# Altium PCB Mother_board_SSL2018.PcbDoc (part 1 of 2) (continued)
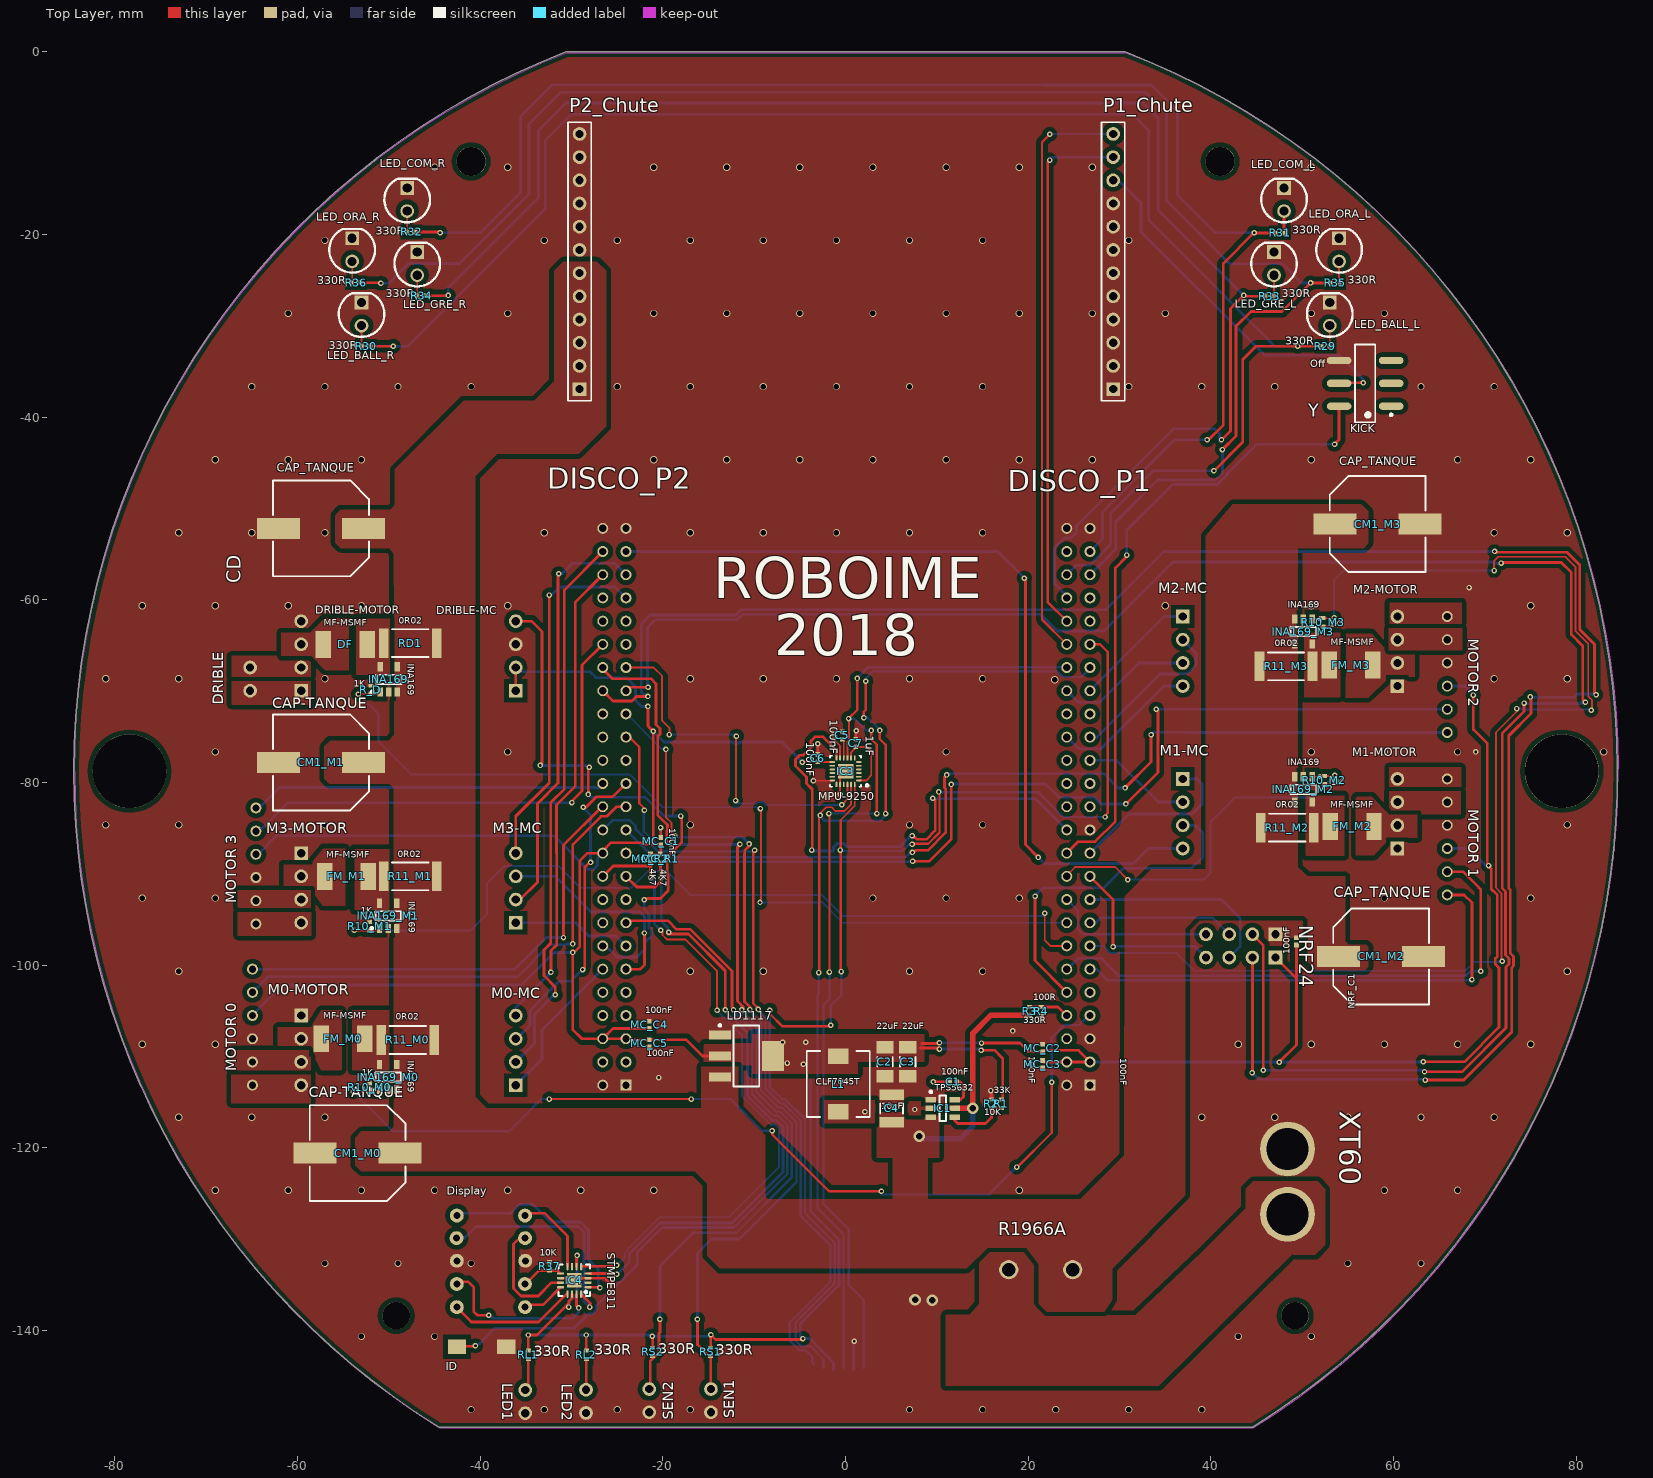
[diagram p0: Top Layer view]
## Components (designator, comment, footprint, x,y, rotation, side; value= is the part's Value field where it differs from the comment) (continued)
R_D "1K" 0402-RES-HD -51.988,-69.824 r270 top
RD1 "0R02" 2512-RES-HD -47.67,-64.744 r0 top value=0.02
RL1 "330R" 0402-RES-HD -34.737,-142.645 r270 top value=330
RL2 "330R" 0402-RES-HD -28.387,-142.645 r270 top value=330
RS1 "330R" 0402-RES-HD -14.775,-142.341 r90 top value=330
RS2 "330R" 0402-RES-HD -21.125,-142.341 r90 top value=330
SD1 "2908-05WB-MG" "New footprint 1"#2 -2.886,-140.64 r0 bottom
SEN1 "0022112022" 02x01_Conector_Male -14.75,-147.675 r90 bottom (schematic designator SENSOR1)
SEN2 "0022112022" 02x01_Conector_Male -21.5,-147.675 r90 bottom (schematic designator SENSOR2)
SW "R1966A" R1966AB-PCB 17.975,-143.875 r90 bottom

## Footprints (in the part's own frame and the unit in brackets; to place one, negate y for a bottom-side part, rotate by r counter-clockwise, add the part's x,y. Pads: shape width x height; smd on the part's side, far side on the other; paste and mask are expansions set on the pad)
02x01_Conector_Male [mm] "0022112022"
  round 1.5 hole 0.9: 1(-1.27,0) 2(1.27,0)
  body extent -2.46,-3.25 2.46,3.1, height 3.14
04x01_Conector_Female [mm] "PPPC041LFBN-RC"
  round 1.5 hole 0.9: 0(-3.81,0) 1(-1.27,0) 2(1.27,0)
  rect 1.5x1.5 hole 0.9: 3(3.81,0)
  body extent -5.33,-1.27 5.33,1.27, height 8.5
"04x01_Conector_Female - duplicate" [mm] "PPPC041LFBN-RC"
  round 1.5 hole 0.9: 0(-3.81,0) 1(-1.27,0) 2(1.27,0)
  rect 1.5x1.5 hole 0.9: 3(3.81,0)
  body extent -5.33,-1.27 5.33,1.27, height 8.5
04x02_Conector_Female [mm] "PPPC042LFBN-RC"
  round 1.5 hole 0.9: 0(-3.81,1.27) 1(-1.27,1.27) 2(1.27,1.27) 4(-3.81,-1.27) 5(-1.27,-1.27) 6(1.27,-1.27)
  rect 1.5x1.5 hole 0.9: 3(3.81,1.27) 7(3.81,-1.27)
  body extent -5.3,-2.55 5.36,2.53, height 8.52
06x01_Conector_Male [mil] "0022112062"
  round 47.25 hole 31.5: 1(250,5) 2(150,5) 3(50,5) 4(-50,5) 5(-150,5) 6(-250,5)
  body extent -297,-115 297,135, height 124
25x02_Conector_Female [mil] "SFH11-PBPC-D25-ST-BK"
  rect 47.25x47.25 hole 31.5: 1(-1200,-50)
  round 47.25 hole 31.5: 2(-1200,50) 3(-1100,-50) 4(-1100,50) 5(-1000,-50) 6(-1000,50) 7(-900,-50) 8(-900,50) 9(-800,-50) 10(-800,50) 11(-700,-50) 12(-700,50) 13(-600,-50) 14(-600,50) 15(-500,-50) 16(-500,50) 17(-400,-50) 18(-400,50) 19(-300,-50) 20(-300,50) 21(-200,-50) 22(-200,50) 23(-100,-50) 24(-100,50) 25(0,-50) 26(0,50) 27(100,-50) 28(100,50) 29(200,-50) 30(200,50) 31(300,-50) 32(300,50) 33(400,-50) 34(400,50) 35(500,-50) 36(500,50) 37(600,-50) 38(600,50) 39(700,-50) 40(700,50) 41(800,-50) 42(800,50) 43(900,-50) 44(900,50) 45(1000,-50) 46(1000,50) 47(1100,-50) 48(1100,50) 49(1200,-50) 50(1200,50)
  body extent -1350,-121 1350,115, height 333
0402 [mm] "Chip Capacitor, Body 1.0x0.5mm, IPC High Density"
  rect 0.6x0.5 smd: 1(-0.5,0) 2(0.5,0)
  body extent -0.55,-0.3 0.55,0.3, height 1.3
0402-CAP [mm] "Chip Capacitor, Body 1.0x0.5mm, Height 0.6mm, IPC Medium Density"
  rect 0.52x0.52 smd: 1(-0.4,0) 2(0.4,0)
  body extent -0.55,-0.3 0.55,0.3, height 0.33
0402-RES-HD [mm] "Chip Resistor, Body 1.0x0.5mm, IPC High Density"
  rect 0.45x0.55 smd: 1(-0.45,0) 2(0.45,0)
  body extent -0.52,-0.27 0.53,0.28, height 0.4
1206-CAP [mm] "Chip Capacitor, Body 3.2x1.6mm, Height 1.7mm, IPC Low Density"
  rect 1.35x1.9 smd: 1(-1.6,0) 2(1.6,0)
  silkscreen extent -0.55,-0.85 0.55,0.85, body extent -1.7,-0.9 1.7,0.9, height 1.7
1210-CAP [mm]
  rect 1.15x2.7 smd: 1(-1.5,0) 2(1.5,0)
  silkscreen extent -0.55,-1.25 0.55,1.25, body extent -1.7,-1.4 1.7,1.4, height 2.8
2512-RES-HD [mm] "Chip Resistor, Body 6.4x3.2mm, IPC High Density"
  rect 1.05x3.25 smd: 1(-2.9,0) 2(2.9,0)
  silkscreen extent -2,-1.52 2,1.53, body extent -3.25,-1.7 3.25,1.7, height 0.75
BATTERY_CONECTO-PCB [mm]
  round 6 hole 4.62: 0(-3.58,0) 1(3.58,0)
  body extent -7.82,-4.19 8.08,3.96, height 16.4
CLF7045T [mm]
  rect 2.2x1.7 smd: 1(0,3.05) 2(0,-3.05)
  silkscreen extent -3.45,-3.6 3.45,3.6, body extent -3.5,-3.6 3.5,3.6, height 4.51
EEE-FK1C681GP [mm] "Aluminum Electrolytic Capacitor, Body 10,30x10,30x10,50mm, IPC Low Density"
  rect 4.7x2.3 smd: 1(-4.65,0) 2(4.65,0)
  silkscreen extent -5.25,-5.25 5.25,5.25, body extent -5.65,-5.21 5.65,5.09, height 10.41
HDR1X12 [mm] "Connector; Header; 12 Position"
  rect 1.5x1.5 hole 0.9: 1(0,0)
  round 1.5 hole 0.9: 2(2.54,0) 3(5.08,0) 4(7.62,0) 5(10.16,0) 6(12.7,0) 7(15.24,0) 8(17.78,0) 9(20.32,0) 10(22.86,0) 11(25.4,0) 12(27.94,0)
  silkscreen extent -1.27,-1.27 29.21,1.27
LED-5MM-PCB [mm]
  rect 1.5x1.5 hole 1: 1(1.27,0)
  round 1.5 hole 1: 2(-1.27,0)
  silkscreen extent -2.5,-2.5 2.28,2.5, body extent -2.98,-3.01 2.44,3.01, height 8.59
MPU-9250 [mm] "IMU ACCEL/GYRO/MAG I2C/SPI 24QFN"
  oval 0.6x0.2 smd: 1(-1.45,1) 2(-1.45,0.6) 3(-1.45,0.2) 4(-1.45,-0.2) 5(-1.45,-0.6) 6(-1.45,-1) 13(1.45,-1) 14(1.45,-0.6) 15(1.45,-0.2) 16(1.45,0.2) 17(1.45,0.6) 18(1.45,1)
  oval 0.2x0.6 smd: 7(-1,-1.45) 8(-0.6,-1.45) 9(-0.2,-1.45) 10(0.2,-1.45) 11(0.6,-1.45) 12(1,-1.45) 19(1,1.45) 20(0.6,1.45) 21(0.2,1.45) 22(-0.2,1.45) 23(-0.6,1.45) 24(-1,1.45)
  rect 1.7x1.54 smd: 18(0,0)
  silkscreen extent -2.48,-1.7 1.7,1.7, body extent -1.55,-1.55 1.55,1.55, height 1.05
"New footprint 1"#1 [mil]
  round 60 hole 30: 1(-110,190) 2(-111.22,92.52) 3(-110,-5) 4(-110,-105) 5(-110,-205) 6(184.06,190) 7(184.29,92.52) 8(185.28,-5) 9(183.31,-105) 10(184.29,-205)
  body extent -149,-255 150,245, height 283
"New footprint 1"#2 [mil]
  rect 31.5x59.06 smd: 1(-68.5,135.04) 2(-25.2,119.29) 3(18.11,135.04) 4(61.42,142.91) 5(104.72,135.04) 6(148.03,142.91) 7(191.34,135.04) 8(234.65,135.04)
  rect 55.12x74.8 smd: M1(269.29,246.85) M2(-269.29,291.73)
  rect 70.87x55.12 smd: M3(201.97,-291.73) M4(-22.44,-291.73)
  silkscreen extent -271,-292 280,308, body extent -269,-292 282,309, height 75
PCBComponent [mm]
  rect 2x1.6 smd: 1(-2.7,0) 2(2.7,0)
  body extent -3.65,-1.75 3.65,1.75, height 5
QFN16_N [mm] "QFN, 16-Leads, Body 3x3mm, Pitch 0.5mm, Thermal Pad 1.6x1.6mm, IPC Medium Density"
  oval 0.8x0.25 smd: 1(-1.5,0.75) 2(-1.5,0.25) 3(-1.5,-0.25) 4(-1.5,-0.75) 9(1.5,-0.75) 10(1.5,-0.25) 11(1.5,0.25) 12(1.5,0.75)
  oval 0.25x0.8 smd: 5(-0.75,-1.5) 6(-0.25,-1.5) 7(0.25,-1.5) 8(0.75,-1.5) 13(0.75,1.5) 14(0.25,1.5) 15(-0.25,1.5) 16(-0.75,1.5)
  rect 1.6x1.6 smd: TH(0,0)
  silkscreen extent -1.73,-1.73 1.73,1.73, body extent -1.58,-1.58 1.58,1.58, height 1
R1966AB-PCB [mm] "SWITCH ROCKER SPST 15A 125V"
  round 2.1 hole 1.5: 0(10.541,-0.117)
  round 2.1 hole 1.5 paste+0: 1(10.541,6.883)
  body extent -11.38,-10.67 11.12,10.28, height 15.6
RESC4632X16N [mm] "Chip Resistor, 2-Leads, Body 4,60x3,24mm, IPC Medium Density"
  rect 1.68x2.95 smd: 1(-2.39,0) 2(2.39,0)
  body extent -2.3,-1.62 2.3,1.62, height 1.15
SOP250P750X350-6N [mm] "SOP, 6-Leads, Body 8,50x3,00mm, Pitch 2,50mm, IPC Medium Density"
  oval 2.7x0.8 smd: 1(-2.85,2.5) 2(-2.85,0) 3(-2.85,-2.5) 4(2.85,-2.5) 5(2.85,0) 6(2.85,2.5)
  silkscreen extent -2.98,-4.25 1.1,4.25, body extent -3.62,-4.5 3.88,4.5, height 5.57
SOT95P280X110-6N [mm] "SOT23, 6-Leads, Body 2,90x2,80mm, Pitch 0,95mm, IPC Medium Density"
  rect 1.15x0.6 smd: 1(-1.3,0.95) 2(-1.3,0) 3(-1.3,-0.95) 4(1.3,-0.95) 5(1.3,0) 6(1.3,0.95)
  silkscreen extent -1.42,-1.4 0.35,1.92, body extent -0.72,-1.37 0.72,1.38, height 1.1
SOT95P280X125-5N [mm] "SOT23, 5-Leads, Body 2,90x2,80mm, Pitch 0,95mm, IPC Medium Density"
  rect 1x0.6 smd: 1(-1.375,0.95) 2(-1.375,0) 3(-1.375,-0.95) 4(1.375,-0.95) 5(1.375,0.95)
  silkscreen extent -1.5,-1.4 0.5,1.92, body extent -0.88,-1.37 0.87,1.38, height 1.25
SOT-223_N [mm] "SOT223, 4-Leads, Body 6.5x3.5mm, Pitch 2.3mm, Lead Span 7mm, IPC Medium Density"
  rect 2.4x1 smd: 1(-2.9,2.3) 2(-2.9,0) 3(-2.9,-2.3)
  rect 2.4x3.3 smd: 4(2.9,0)
  silkscreen extent -3.02,-3.35 1.4,3.47, body extent -1.85,-3.35 1.85,3.35, height 1.8

## Part data
06x01_Conector_Male_M0 06x01_Conector_Male_M1 06x01_Conector_Male_M2 06x01_Conector_Male_M3: library part 06x01_Conector_Male, "CONN HEADER 6POS .100 VERT GOLD"
BAT: library part BATTERY_CONNECTOR, "XT60 PRT-10474"
C1: library part CC0402-100nF-50v-A.3, "CAP CER 0.1UF 50V 10% X7R 0402", Part No=C1005X7R1H104K050BB, Cod EMS=05.281.019.021
C2 C3: library part CC1206-22uF-6.3V-1, "CAP CER 22UF 6.3V 20% X5R 1206", Part No=C3216X5R0J226M085AC, Rule="Polygon Connect Style [Style - Direct Connect]"
C4: library part CC1210-10uF-6, "CAP CER 10UF 50V 20% X5R 1210", Part No=UMK325BJ106MM, Cod EMS=05.281.019.522
C5 C6 MC_C1 MC_C2 MC_C3 MC_C4 MC_C5 NRF_C1: library part CC0402-100nF-A.12, "CAP CER 0.1UF 10V 20% X5R 0402", Part No=VJ0402V104ZXQPBC, Cod EMS=05.281.006.133
C7: library part CC0402-1uF-5, "CAP CER 1UF 6.3V 10% X5R 0402", Part No=JMK105BJ105KV-F, Cod EMS=05.281.019.513
CD CM1_M0 CM1_M1 CM1_M2 CM1_M3: library part "CAP AL 680UF/16V", "Aluminum Electrolytic Capacitors - SMD Al Lytic Cap SMT FK Series 105C"
CON_DRIBLE LED1 LED2 SEN1 SEN2: library part 02x01_Conector_Male, "CONN HEADER 2POS .100 VERT GOLD"
DF FM_M0 FM_M1 FM_M2 FM_M3: library part MF-MSMF250/16X-01.A.1, "PTC RESETTABLE .30A 30V 1812"
DISCO_P1 DISCO_P2: library part 25x02_Conector_Female, "50 Position Header Connector 0.100\" (2.54mm) Through Hole Gold"
Display: library part HDSP-F513-01.A.2, "7 segments display"
DRIBLE-MC DRIBLE-MOTOR M0-MC M0-MOTOR M1-MC M1-MOTOR M2-MC M2-MOTOR M3-MC M3-MOTOR: library part 04x01_Conector_Female-SCH, "4 Position Header Connector 0.100\" (2.54mm) Through Hole Gold"
IC1: library part TPS563200DDCT-01.A.2, "IC REG BUCK ADJ 3A SYNC 6SOT"
IC3: library part MPU-9250-1, "IMU ACCEL/GYRO/MAG I2C/SPI 24QFN", Part No=MPU-9250
IC4: library part STMPE811QTR-6, "IC TSC I/O EXPAND 8B 16QFN", Part No=STMPE811QTR, Cod EMS=05.284.001.511
ID: library part 95C04A3GWRT.-1, "GRAYHILL TACT,GW,6X3.5,1800T&R,LF Eight, 160g Operating Force, Gull Wing, RoHS Compliant", Part No=95C04A3GWRT
INA169 INA169_M0 INA169_M1 INA169_M2 INA169_M3: library part INA169NA-01.A.1, "IC CURRENT MONITOR 0.5% SOT23-5"
KICK: library part JS202011SCQN-1, "SWITCH SLIDE DPDT 300MA 6V", Part No=JS202011SCQN
L1: library part CLF7045T-4R7N-H-2, "FIXED IND 4.7UH 4.1A 20 MOHM SMD", Part No=CLF7045T-4R7N-H, Family=CLF7045T, Family Description="INDUTORES FIXOS 7,2x6,9mm TDK CLF7045T -45 A 125oC", Rule="Polygon Connect Style [Style - Direct Connect]"
LD1117: library part CMP-0244-00307-1, "Fixed Low Drop Positive Voltage Regulator, 3.3V, 4-Pin SOT-223, Tape and Reel", ComponentLink1Description="Manufacturer URL", ComponentLink1URL=http://www.st.com, ComponentLink2Description=Datasheet, ComponentLink2URL=http://www.st.com/internet/com/TECHNICAL_RESOURCES/TECHNICAL_LITERATURE/DATASHEET/CD00000544.pdf, DatasheetVersion=1/11/2011, PackageDescription="4-Pin SOT-223 Package, 6.5 x 3.5 mm Body, 2.3 mm Pitch, 7 mm Lead Span", PackageReference=SOT-223, PackageVersion=2010
LED_BALL_L LED_BALL_R LED_COM_L LED_COM_R LED_GRE_L LED_GRE_R LED_ORA_L LED_ORA_R: library part LED-5MM-3, "LED 5MM PTH"
MC_R1 MC_R2: library part Res1, "Resistor", LatestRevisionDate=17-Jul-2002, LatestRevisionNote="Re-released for DXP Platform.", PackageDescription="Axial Device, Thru-Hole; 2 Leads; 0.3 in Pin Spacing", PackageReference=AXIAL-0.3, Published=8-Jun-2000, Publisher="Altium Limited"
NRF24: library part 04x02_Conector_Female, "8 Position Header Connector 0.100\" (2.54mm) Through Hole Gold"
P1_Chute P2_Chute: "Header, 12-Pin", LatestRevisionDate=17-Jul-2002, LatestRevisionNote="Re-released for DXP Platform.", Publisher="Altium Limited"
R1: library part R0402-33K-7, "RES 33K OHM 1/10W 1% 0402 SMD", Part No=ERJ-2RKF3302X, Cod EMS=05.280.029.535, Family=ERJ-2RKF....X, Family Description="RESISTOR FILME ESPESSO 10R-1M / 1/10W / 1% / 0402. P/N: ERJ-2RKF....X – PANASONIC ELECTRONIC COMPONENTS."
R2: library part R0402-10K-10, "RES 10K OHM 1/10W 1% 0402 SMD", Part No=ERJ-2RKF1002X, Cod EMS=05.280.029.525, Family=ERJ-2RKF....X, Family Description="RESISTOR FILME ESPESSO 10R-1M / 1/10W / 1% / 0402. P/N: ERJ-2RKF....X – PANASONIC ELECTRONIC COMPONENTS."
R3: library part R0402-10K-10, "RES 330R OHM 1/10W 1% 0402 SMD", Part No=ERJ-2RKF1002X, Cod EMS=05.280.029.525, Family=ERJ-2RKF....X, Family Description="RESISTOR FILME ESPESSO 10R-1M / 1/10W / 1% / 0402. P/N: ERJ-2RKF....X – PANASONIC ELECTRONIC COMPONENTS."
R4: library part R0402-33K-7, "RES 100R OHM 1/10W 1% 0402 SMD", Part No=ERJ-2RKF3302X, Cod EMS=05.280.029.535, Family=ERJ-2RKF....X, Family Description="RESISTOR FILME ESPESSO 10R-1M / 1/10W / 1% / 0402. P/N: ERJ-2RKF....X – PANASONIC ELECTRONIC COMPONENTS."
R10_M0 R10_M1 R10_M2 R10_M3 R_D: library part R0402-1K-A.9, "RES 1K OHM 1/10W 1% 0402 SMD", Part No=ERJ-2RKF1001X, Cod EMS=05.280.029.527, Family=ERJ-2RKF....X, Family Description="RESISTOR FILME ESPESSO 10R-1M / 1/10W / 1% / 0402. P/N: ERJ-2RKF....X – PANASONIC ELECTRONIC COMPONENTS."
R11_M0 R11_M1 R11_M2 R11_M3 RD1: library part R2512-0R02-4, "RES .02 OHM 2W 1% 2512 SMD", Part No=WSL2512R0200FEA18, Cod EMS=05.280.029.529, Family=WSL2512.....FEA18, Family Description="RESISTOR SENTIDO DE CORRENTE 0,010R-0,040R/ 2W / 1% / 2512 P/N: WSL2512.....FEA18 – VISHAY DALE."
R29 R30 R31 R32 R33 R34 R35 R36 RL1 RL2 RS1 RS2: library part R0402-330R-7, "RES 330 OHM 1/10W 1% 0402 SMD", Part No=ERJ-2RKF3300X, Cod EMS=05.280.029.506, Family=ERJ-2RKF....X, Family Description="RESISTOR FILME ESPESSO 10R-1M / 1/10W / 1% / 0402. P/N: ERJ-2RKF....X – PANASONIC ELECTRONIC COMPONENTS."
R37: library part R0402-10K-11, "RES 10K OHM 1/10W 1% 0402 SMD", Part No=ERJ-2RKF1002X, Cod EMS=05.280.029.525, Family=ERJ-2RKF....X, Family Description="RESISTOR FILME ESPESSO 10R-1M / 1/10W / 1% / 0402. P/N: ERJ-2RKF....X – PANASONIC ELECTRONIC COMPONENTS."
SD1: library part 2908-05WB-MG-01.A.1, "CONN MICRO SD CARD PUSH-PUSH R/A"
SW: library part "Rocker Switch", "SWITCH ROCKER SPST 15A 125V"

## Free pads (board coordinates)
  round 8.083 hole 8.083: 1(-78.408,-78.764) 1(78.408,-78.764)
  round 3 hole 3: 1(-49.202,-138.362) 1(49.202,-138.362)
  round 3.2 hole 3.2: 1(-41,-12) 1(41,-12)

## Via types
v1: diameter 0.6, hole 0.3, Top Layer to Bottom Layer, 167 vias
v2: diameter 0.8, hole 0.6, Top Layer to Bottom Layer, 160 vias
v3: diameter 1.27, hole 0.711, Top Layer to Bottom Layer, 4 vias

## Nets (pads, with @x,y where several pads share a name; then routed paths per layer and width w, separated by ;. In a path a pad name is that pad's centre, name@x,y a point inside that pad or via, vN(x,y) a via of type N, cw(c..) or ccw(c..) an arc to the next point about the centre after c; other vN are vias at no path point)
a: Display.6 IC4.8 | length 8.9
  Top Layer w0.3: Display.6@-34.975,-127.149 -32.951,-127.149 -30.46,-129.64 IC4.8@-30.46,-133.008
b: Display.7 IC4.11 | length 12.7
  Top Layer w0.3: Display.7@-34.969,-129.625 -35.45,-129.625 -36.35,-130.525 -36.35,-135.4 -35.525,-136.225 -33.65,-136.225 -32.183,-134.758 IC4.11@-31.21,-134.758
BAT_REF: DISCO_P1.8 R3.1 R4.2 | length 5.9
  Top Layer w0.3: R4.2@21.418,-104.589 R3.1@20.148,-104.589 23.239,-104.589 24.187,-105.537 DISCO_P1.8@24.3,-105.65
Blue_led: DISCO_P1.47 R31.1 R32.1 | length 162.2
  Top Layer w0.3: R32.1@-47.075,-19.725 v1@-44.4,-19.725 ; v1@39.675,-42.525 41.35,-40.85 41.35,-23.175 v1(44.725,-19.8) ; v1@44.85,-19.825 R31.1@47.125,-19.825
  Bottom Layer w0.3: v1(-44.4,-19.8) -39.975,-19.8 -35.575,-15.4 -35.575,-7.1 -32.075,-3.6 21.775,-3.6 21.8,-3.625 33.475,-3.625 36.325,-6.475 36.325,-15.675 40.45,-19.8 v1(44.725,-19.8) ; DISCO_P1.47@26.752,-54.711 28.125,-53.338 28.125,-50.375 36.025,-42.475 v1(39.575,-42.475)
c: Display.10 IC4.12 | length 4.6
  Top Layer w0.3: Display.10@-34.969,-137.182 -33.134,-137.182 IC4.12@-31.21,-135.258
CA: DISCO_P1.40 P1_Chute.12 | length 64.4
  Top Layer w0.255: v1(22.35,-9.025) 22.35,-9.058 21.5,-9.908 21.5,-16.882 21.5,-62.159 DISCO_P1.40@24.212,-64.871
  Bottom Layer w0.255: v1(22.35,-9.025) 22.35,-9.033 22.337,-9.046 22.337,-8.991 P1_Chute.12@29.292,-8.991
CB: DISCO_P1.42 P1_Chute.11 | length 58.7
  Top Layer w0.255: v1(22.35,-11.85) 22.112,-12.088 22.112,-60.231 DISCO_P1.42@24.212,-62.331
  Bottom Layer w0.255: v1(22.35,-11.85) 22.242,-11.85 22.561,-11.531 P1_Chute.11@29.292,-11.531
CT: KICK.5 P1_Chute.10 | length 41.5
  Top Layer w0.3: KICK.5@53.8,-36.225 v1(56.675,-36.225)
  Bottom Layer w0.3: P1_Chute.10@29.292,-14.071 29.896,-14.071 32.35,-16.525 32.35,-19.7 45.862,-33.212 53.987,-33.212 56.675,-35.9 v1(56.675,-36.225)
CT_uc: DISCO_P1.22 KICK.6 | length 70.1
  Top Layer w0.3: DISCO_P1.22@24.212,-87.731 25.468,-86.475 27.3,-86.475 29.525,-84.25 29.525,-56.525 30.775,-55.275 v1(30.775,-55.1) ; v1(53.525,-42.975) 54.025,-42.475 KICK.6@54.025,-38.8
  Bottom Layer w0.3: v1@30.775,-54.975 30.775,-52.375 35.775,-47.375 40.682,-47.375 41.75,-46.307 41.75,-46.2 44.975,-42.975 v1(53.525,-42.975)
d: Display.5 IC4.13 | length 14.3
  Top Layer w0.3: Display.5@-42.444,-137.182 -42.444,-137.606 -40.975,-139.075 -33.625,-139.075 -30.558,-136.008 IC4.13@-30.46,-136.008
D_CUR: DISCO_P1.16 INA169.1 R_D.2 | length 98.5
  Top Layer w0.2: v1@-53.391,-70.274 R_D.2@-51.988,-70.274 -51.168,-70.274 INA169.1@-50.972,-70.078 ; v1(-9.375,-93.125) -9.275,-93.025 -9.275,-82.9 v1(-9.325,-82.85)
  Bottom Layer w0.2: v1(-53.338,-70.346) -51.138,-72.546 -51.138,-75.546 -47.573,-79.111 -23.634,-79.111 -20.045,-82.7 -9.475,-82.7 v1(-9.325,-82.85) v1@-9.175,-83 ; v1(-9.375,-93.125) -2.667,-93.125 -2.617,-93.075 -0.34,-95.351 DISCO_P1.16@24.212,-95.351
DA: CON_DRIBLE.2 DRIBLE-MOTOR.2
DAH: DISCO_P2.14 DRIBLE-MC.0 | length 60.4
  Top Layer w0.3: DRIBLE-MC.0@-36.113,-62.331 -34.376,-62.331 -33.25,-63.457 v1@-33.25,-77.9 ; v1(-28.175,-81.3) -28.175,-78.425 v1(-28.075,-78.325) ; -21.75,-92.7 -20.275,-92.7 -19.425,-91.85 -19.425,-90.089 -19.525,-89.989 -19.525,-88.15 -17.95,-86.575 -17.95,-83.771 v1(-18.05,-83.671)
  Bottom Layer w0.3: v1(-33.425,-78.125) -28.45,-78.125 v1@-28.2,-78.375 ; v1(-28.175,-81.3) -28.175,-81.328 -27.901,-81.601 -21.949,-81.601 -19.879,-83.671 v1(-18.05,-83.671) ; DISCO_P2.14@-26.588,-97.891 -26.259,-97.891 -25.05,-99.1 -22.75,-99.1 -22.75,-99 -21.975,-98.225 -21.975,-97.486 -21.275,-96.786 -21.275,-96.164 -21.525,-95.914 -21.525,-94.439 -22.05,-93.914 v1(-22.05,-92.825)
DB: CON_DRIBLE.1 DRIBLE-MOTOR.3
DP: Display.9 IC4.9 R37.1 | length 4.5
  Top Layer w0.3: Display.9@-34.994,-134.642 -34.792,-134.642 -33.575,-133.425 R37.1@-32.4,-133.425 ; R37.1@-32.425,-133.425 -31.543,-133.425 IC4.9@-31.21,-133.758
e: Display.4 IC4.15 | length 18.7
  Top Layer w0.3: Display.4@-42.444,-134.642 -41.333,-134.642 -40.725,-135.25 -40.725,-137.9 -40.3,-138.325 v1(-39.075,-138.325) ; -29.46,-137.315 IC4.15@-29.46,-136.008
  Bottom Layer w0.3: v1@-39.25,-138.35 v1@-39.075,-138.35 ; v1(-39.075,-138.325) -38.904,-138.325 -38.577,-138.652 -29.827,-138.652 -29.225,-138.05 v1(-29.225,-137.525)
f: Display.2 IC4.16 | length 24.9
  Top Layer w0.3: IC4.16@-28.96,-136.008 -27.922,-137.047 -28.025,-137.15 v1(-28.025,-137.425)
  Bottom Layer w0.3: Display.2@-42.431,-129.883 -41.733,-129.883 -40.469,-128.619 -29.256,-128.619 -28.65,-129.225 -28.65,-136.8 v1(-28.025,-137.425)
g: Display.1 IC4.1 | length 23.9
  Top Layer w0.3: IC4.1@-28.21,-135.258 v1@-27.083,-135.258
  Bottom Layer w0.3: Display.1@-42.444,-127.149 -36.649,-127.149 -35.695,-126.195 -34.205,-126.195 -32.281,-128.119 -29.049,-128.119 -28.15,-129.018 -28.15,-132.25 -27.075,-133.325 -27.075,-135.219 -26.969,-135.325 v1(-26.9,-135.325) v1@-26.9,-135.4
GND: 06x01_Conector_Male_M0.4 06x01_Conector_Male_M1.4 06x01_Conector_Male_M2.4 06x01_Conector_Male_M3.4 BAT.1 C2.1 C3.1 C4.1 C5.2 C6.2 C7.2 CD.2 CM1_M0.2 CM1_M1.2 CM1_M2.2 CM1_M3.2 DISCO_P1.1 DISCO_P1.2 DISCO_P1.5 DISCO_P1.23 DISCO_P1.49 DISCO_P1.50 DISCO_P2.1 DISCO_P2.2 DISCO_P2.49 DISCO_P2.50 Display.3 Display.8 DRIBLE-MC.1 DRIBLE-MOTOR.0 IC1.1 IC3.11 IC3.18 IC3.20 IC4.3 IC4.10 IC4.TH ID.2 INA169.2 INA169_M0.2 INA169_M1.2 INA169_M2.2 INA169_M3.2 KICK.4 LD1117.1 LED1.1 LED2.1 LED_BALL_L.1 LED_BALL_R.1 LED_COM_L.1 LED_COM_R.1 LED_GRE_L.1 LED_GRE_R.1 LED_ORA_L.1 LED_ORA_R.1 M0-MOTOR.3 M1-MOTOR.3 M2-MOTOR.3 M3-MOTOR.3 MC_C1.1 MC_C2.1 MC_C3.2 MC_C4.1 MC_C5.1 NRF24.3 NRF_C1.2 P1_Chute.1 P1_Chute.2 P1_Chute.3 P1_Chute.4 P1_Chute.5 P1_Chute.6 P1_Chute.7 P1_Chute.8 P1_Chute.9 P2_Chute.7 P2_Chute.8 P2_Chute.9 P2_Chute.10 P2_Chute.11 P2_Chute.12 R2.1 R4.1 R10_M0.1 R10_M1.1 R10_M2.1 R10_M3.1 R37.2 R_D.1 SD1.6 SEN1.1 SEN2.1 | length 20.5
  Top Layer w0.2: v1@-3.4,-79.775 -1.45,-79.799 IC3.18@-1.4,-79.8 ; -1.375,-74.425 -1.375,-75.225 -0.6,-76 IC3.11@-0.6,-77.4 ; v1@-0.6,-81.2 IC3.18@-0.6,-78.8
  Top Layer w0.3: IC4.10@-31.21,-134.258 -29.96,-134.258 IC4.TH@-29.71,-134.508 -29.46,-134.258 IC4.3@-28.21,-134.258 -28.185,-134.283 -26.292,-134.283 -25.85,-134.725 ; MC_C1.1@-20.238,-86.021 v1@-20.238,-85.063 ; C6.2@-3.05,-76.925 v1(-3.05,-75.75) ; C7.2@1.1,-75.275 v1@1.1,-74.35 ; R2.1@15.957,-114.713 v1@15.957,-113.693
  Bottom Layer w0.3: SD1.6@0.874,-144.27 v1@0.874,-141.301
  other v1: 0.95,-141.175 15.875,-113.725 -20.45,-112.3 18.3,-107.2 -20.263,-84.925 -0.575,-81.3 -3.525,-79.799 68.975,-76.65 1.15,-74.329 68.25,-58.65
  other v2: -41.007,-148.648 -33.007,-148.648 -25.007,-148.648 -17.007,-148.648 6.993,-148.648 14.993,-148.648 22.993,-148.648 30.993,-148.648 38.993,-148.648 -53.007,-140.648 -45.007,-140.648 42.993,-140.648 50.993,-140.648 -57.007,-132.648 -49.007,-132.648 -41.007,-132.648 54.993,-132.648 62.993,-132.648 -69.007,-124.648 -61.007,-124.648 -53.007,-124.648 -45.007,-124.648 -37.007,-124.648 -29.007,-124.648 -21.007,-124.648 18.993,-124.648 58.993,-124.648 66.993,-124.648 -73.007,-116.648 -65.007,-116.648 -57.007,-116.648 38.993,-116.648 46.993,-116.648 54.993,-116.648 62.993,-116.648 70.993,-116.648 -77.007,-108.648 -69.007,-108.648 42.993,-108.648 50.993,-108.648 58.993,-108.648 66.993,-108.648 74.993,-108.648 -73.007,-100.648 -17.007,-100.648 -9.007,-100.648 6.993,-100.648 14.993,-100.648 78.993,-100.648 -77.007,-92.648 -69.007,-92.648 2.993,-92.648 10.993,-92.648 18.993,-92.648 58.993,-92.648 74.993,-92.648 -81.007,-84.648 -73.007,-84.648 -57.007,-84.648 -17.007,-84.648 6.993,-84.648 14.993,-84.648 78.993,-84.648 -69.007,-76.648 -37.007,-76.648 10.993,-76.648 50.993,-76.648 58.993,-76.648 66.993,-76.648 82.993,-76.648 22.901,-68.753 -81.007,-68.648 -73.007,-68.648 -57.007,-68.648 -17.007,-68.648 -9.007,-68.648 -1.007,-68.648 6.993,-68.648 14.993,-68.648 70.993,-68.648 78.993,-68.648 -77.007,-60.648 -69.007,-60.648 -61.007,-60.648 -53.007,-60.648 -37.007,-60.648 34.993,-60.648 50.993,-60.648 74.993,-60.648 -73.007,-52.648 -65.007,-52.648 -57.007,-52.648 -33.007,-52.648 -17.007,-52.648 -9.007,-52.648 -1.007,-52.648 6.993,-52.648 14.993,-52.648 70.993,-52.648 78.993,-52.648 -69.007,-44.648 -61.007,-44.648 -53.007,-44.648 -21.007,-44.648 -13.007,-44.648 -5.007,-44.648 2.993,-44.648 10.993,-44.648 18.993,-44.648 26.993,-44.648 50.993,-44.648 58.993,-44.648 66.993,-44.648 74.993,-44.648 -65.007,-36.648 -57.007,-36.648 -49.007,-36.648 -41.007,-36.648 -25.007,-36.648 -17.007,-36.648 -9.007,-36.648 -1.007,-36.648 6.993,-36.648 14.993,-36.648 30.993,-36.648 38.993,-36.648 46.993,-36.648 62.993,-36.648 70.993,-36.648 -61.007,-28.648 -37.007,-28.648 -21.007,-28.648 -13.007,-28.648 -5.007,-28.648 2.993,-28.648 10.993,-28.648 18.993,-28.648 26.993,-28.648 34.993,-28.648 50.993,-28.648 58.993,-28.648 -57.007,-20.648 -33.007,-20.648 -25.007,-20.648 -17.007,-20.648 -9.007,-20.648 -1.007,-20.648 6.993,-20.648 14.993,-20.648 30.993,-20.648 -45.007,-12.648 -37.007,-12.648 -21.007,-12.648 -13.007,-12.648 -5.007,-12.648 2.993,-12.648 10.993,-12.648 18.993,-12.648 26.993,-12.648 50.993,-12.648
  other v3: 9.5,-136.693 7.6,-136.625
I2C.SCL: DISCO_P2.19 IC4.4 MC_R1.1 | length 72
  Top Layer w0.3: IC4.4@-28.21,-133.758 v1@-25.158,-133.758 ; DISCO_P2.19@-24.048,-90.271 -22.869,-91.45 -20.85,-91.45 -20.263,-90.863 MC_R1.1@-20.263,-88.896 ; v1@-19.5,-96.575 -17.209,-96.575 -13.176,-100.609 v1(-13.176,-104.88) ; -17.35,-96.575 -17.325,-96.6
  Bottom Layer w0.3: v1(-25.075,-133.825) -24.989,-133.825 -23.679,-132.514 -23.679,-131.571 -20.332,-128.225 -12.425,-128.225 -6.86,-122.66 -6.86,-117.689 -7.574,-116.975 -8.058,-116.975 -10.735,-114.298 -10.735,-108.54 -10.757,-108.518 -10.757,-107.393 -12.52,-105.63 -12.586,-105.63 -13.176,-105.041 v1(-13.176,-104.88) ; v1(-20.175,-90.4) -20.175,-95.19 -19.501,-95.864 v1@-19.501,-96.174
  other v1: -19.351,-96.405
I2C.SDA: DISCO_P2.20 IC4.5 MC_R2.1 | length 72.4
  Top Layer w0.2: v1@-20.275,-96.125 -20.251,-96.149 v1(-20.251,-96.175) -20.051,-96.375 -20.051,-96.695 -19.573,-97.173 -17.552,-97.173 -14.076,-100.649 v1(-14.076,-104.93)
  Top Layer w0.3: -28.8,-132.95 v1@-25.25,-132.95 ; DISCO_P2.20@-26.588,-90.271 -25.445,-89.128 -21.645,-89.128 MC_R2.1@-21.363,-88.846 v1@-21.363,-90.287
  Bottom Layer w0.2: v1(-25.075,-132.85) -24.129,-131.904 -24.129,-131.385 -20.343,-127.6 -12.8,-127.6 -7.31,-122.11 -7.31,-117.875 -7.76,-117.425 -8.245,-117.425 -11.35,-114.32 -11.35,-107.656 -13.426,-105.58 -13.466,-105.58 -14.076,-104.97 v1(-14.076,-104.93)
  Bottom Layer w0.3: v1(-21.35,-90.4) -20.925,-90.825 -20.925,-95.501 v1(-20.251,-96.175)
ID_B: DISCO_P2.15 ID.1 | length 84.3
  Top Layer w0.3: ID.1@-42.7,-141.725 v1@-40.575,-141.725 ; DISCO_P2.15@-24.048,-95.351 -23.726,-95.351 -23.5,-95.125 -19.45,-95.125 -18.5,-96.075 -17.002,-96.075 -12.427,-100.65 -12.427,-104.568 -12.426,-104.569 -12.426,-104.73 v1(-12.276,-104.88)
  Bottom Layer w0.255: -12.25,-128.725 -6.382,-122.858 -6.382,-117.491 -7.376,-116.498 -7.86,-116.498 -10.257,-114.1 -10.257,-108.85
  Bottom Layer w0.3: v1@-40.65,-141.5 -40.15,-141.5 -38.386,-139.736 -29.736,-139.736 -28.175,-138.175 -27.714,-138.175 -27.275,-137.736 -27.275,-137.275 -22.825,-132.825 -22.825,-131.45 -20.1,-128.725 -12.25,-128.725 ; v1(-40.525,-141.675) v1@-40.486,-141.636 ; v1(-12.276,-104.88) -12.276,-105.041 -10.257,-107.059 -10.257,-108.31 -10.235,-108.333 -10.235,-108.85
INT_MPU: DISCO_P1.24 IC3.12 | length 53.4
  Top Layer w0.2: -1.625,-75.85 -1,-76.475 IC3.12@-1,-77.314
  Top Layer w0.3: -4.263,-79.562 -4.275,-79.55 ; v1(-3.7,-87.4) -3.65,-87.35 -3.65,-80.735 -4.275,-80.11 -4.275,-79.55 ; -1.625,-75.85 -2.475,-75 -3.361,-75 -3.8,-75.439 -3.8,-76.175 -4.65,-77.025 -5.061,-77.025 -5.5,-77.464 -5.5,-78.175 -4.275,-79.4 -4.275,-79.489 -4.275,-79.55 ; v1@7.425,-86.004 7.586,-86.004 7.804,-86.222 8.852,-86.222 9.8,-85.274 9.8,-81.975 v1(9.55,-81.725)
  Bottom Layer w0.3: v1@-3.575,-87.5 -1.423,-87.5 -1.325,-87.402 -1.325,-87.089 -0.886,-86.65 -0.264,-86.65 0.108,-87.023 6.002,-87.023 6.525,-86.499 6.525,-86.444 7.144,-85.825 v1(7.275,-85.825) ; v1@9.389,-81.825 v1@9.439,-81.775 ; v1(9.55,-81.725) v1@9.489,-81.725 ; DISCO_P1.24@24.212,-85.191 20.796,-81.775 v1@9.439,-81.775 ; v1@9.439,-81.775 9.325,-81.775 9.375,-81.725 v1@9.489,-81.725 ; v1@9.439,-81.775 v1@9.489,-81.725
LED_G: DISCO_P1.44 R33.1 R34.1 | length 167.7
  Top Layer w0.3: R34.1@-45.975,-26.7 -43.875,-26.7 ; v1@41.15,-42.5 42.125,-41.525 42.125,-28.125 v1(43.575,-26.675) ; v1@43.65,-26.75 R33.1@45.975,-26.75
  Bottom Layer w0.3: v1(-43.5,-26.675) -43.5,-25.825 -33.625,-15.95 -33.625,-8.625 -30.6,-5.6 32.525,-5.6 34.225,-7.3 34.225,-17.3 43.575,-26.65 v1(43.575,-26.675) ; DISCO_P1.44@24.212,-59.791 24.212,-59.562 22.875,-58.225 22.875,-54.3 23.953,-53.222 24.647,-53.222 25.262,-52.606 25.262,-51.913 35.9,-41.275 40.375,-41.275 40.925,-41.825 40.925,-42.675 41.125,-42.475 v1(41.15,-42.475)
LED_O: DISCO_P1.45 R35.1 R36.1 | length 181.4
  Top Layer w0.3: R36.1@-53.15,-25.275 v1@-50.775,-25.275 ; v1@41.288,-43.513 42.75,-42.05 42.75,-30.05 44.375,-28.425 47.775,-28.425 v1(50.9,-25.3) R35.1@53.15,-25.3
  Bottom Layer w0.3: v1(-50.875,-25.325) -50,-25.325 -47.85,-23.175 -42.275,-23.175 -34.675,-15.575 -34.675,-7.925 -31.175,-4.425 32.825,-4.425 35.125,-6.725 35.125,-16.3 42.025,-23.2 47.825,-23.2 49.925,-25.3 v1(50.9,-25.3) ; DISCO_P1.45@26.752,-57.251 29.575,-54.428 29.575,-51.45 34.15,-46.875 40.475,-46.875 41.25,-46.1 v1(41.25,-43.55)
LED_R: DISCO_P1.46 R29.1 R30.1 | length 178.3
  Top Layer w0.3: R30.1@-52.05,-32.225 v1(-49.525,-32.225) ; v1@40.275,-45.925 v1(40.325,-45.875) 43.475,-42.725 43.475,-33.675 44.9,-32.25 v1(49.5,-32.25) R29.1@52.075,-32.25
  Bottom Layer w0.3: v1(-49.525,-32.225) -47.925,-32.225 -32.875,-17.175 -32.875,-9.675 -30.025,-6.825 31.4,-6.825 33.175,-8.6 33.175,-18.4 47.025,-32.25 v1(49.5,-32.25) ; DISCO_P1.46@24.212,-57.251 25.263,-56.2 26.775,-56.2 29.025,-53.95 29.025,-50.55 33.725,-45.85 33.75,-45.875 v1(40.325,-45.875)
M0_CUR: DISCO_P1.7 INA169_M0.1 R10_M0.2 | length 105.7
  Top Layer w0.2: INA169_M0.1@-51.251,-113.835 INA169_M0.1@-51.033,-113.617
  Top Layer w0.255: v1@-54.049,-113.835 R10_M0.2@-52.115,-113.835 INA169_M0.1@-51.251,-113.835 ; v1(-32.438,-114.65) -16.95,-114.65 -16.925,-114.625 v1(-16.9,-114.65) ; v1(-8.05,-118.125) -8.05,-118.509 -1.809,-124.75 v1(3.925,-124.75) ; v1(18.725,-122.1) 18.825,-122.1 22.575,-118.35 v1(22.575,-112.825)
  Bottom Layer w0.255: v1(-53.913,-113.846) -49.588,-118.171 -36.846,-118.171 -33.3,-114.625 -33.275,-114.65 v1(-32.438,-114.65) ; v1(-16.9,-114.65) -12.6,-114.65 -9.125,-118.125 v1(-8.05,-118.125) ; 3.95,-125.1 15.708,-125.1 v1@18.717,-122.092 ; v1(22.575,-112.825) 22.575,-107.933 23.969,-106.539 25.619,-106.539 26.647,-105.511 DISCO_P1.7@26.752,-105.511